# KiCad board jetson-agx-thor-baseboard.kicad_pcb
title: Antmicro Baseboard for Jetson AGX Thor; date: 2026-02-18; rev: 1.1.0; company: Antmicro Ltd; note: www.antmicro.com
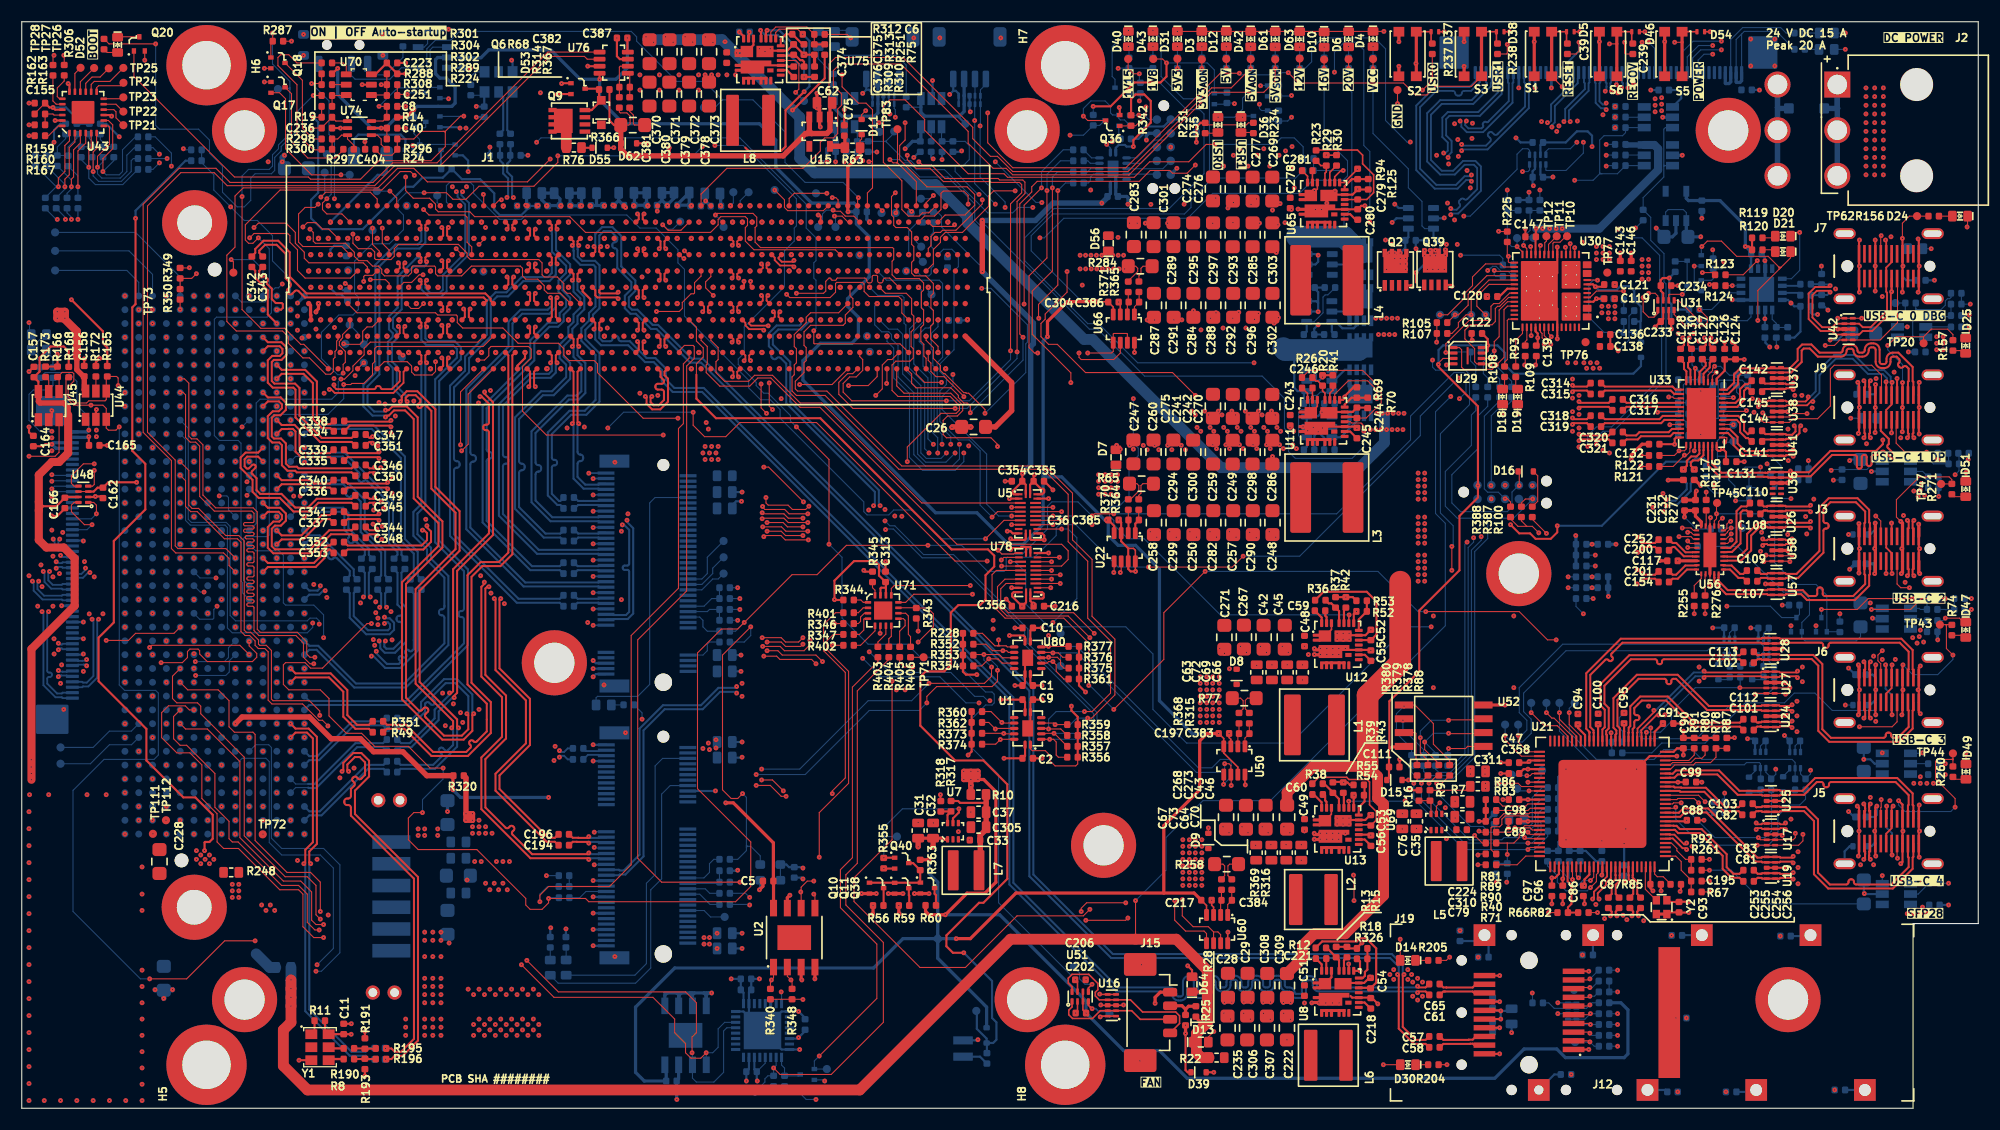
[diagram p0: board, top side]
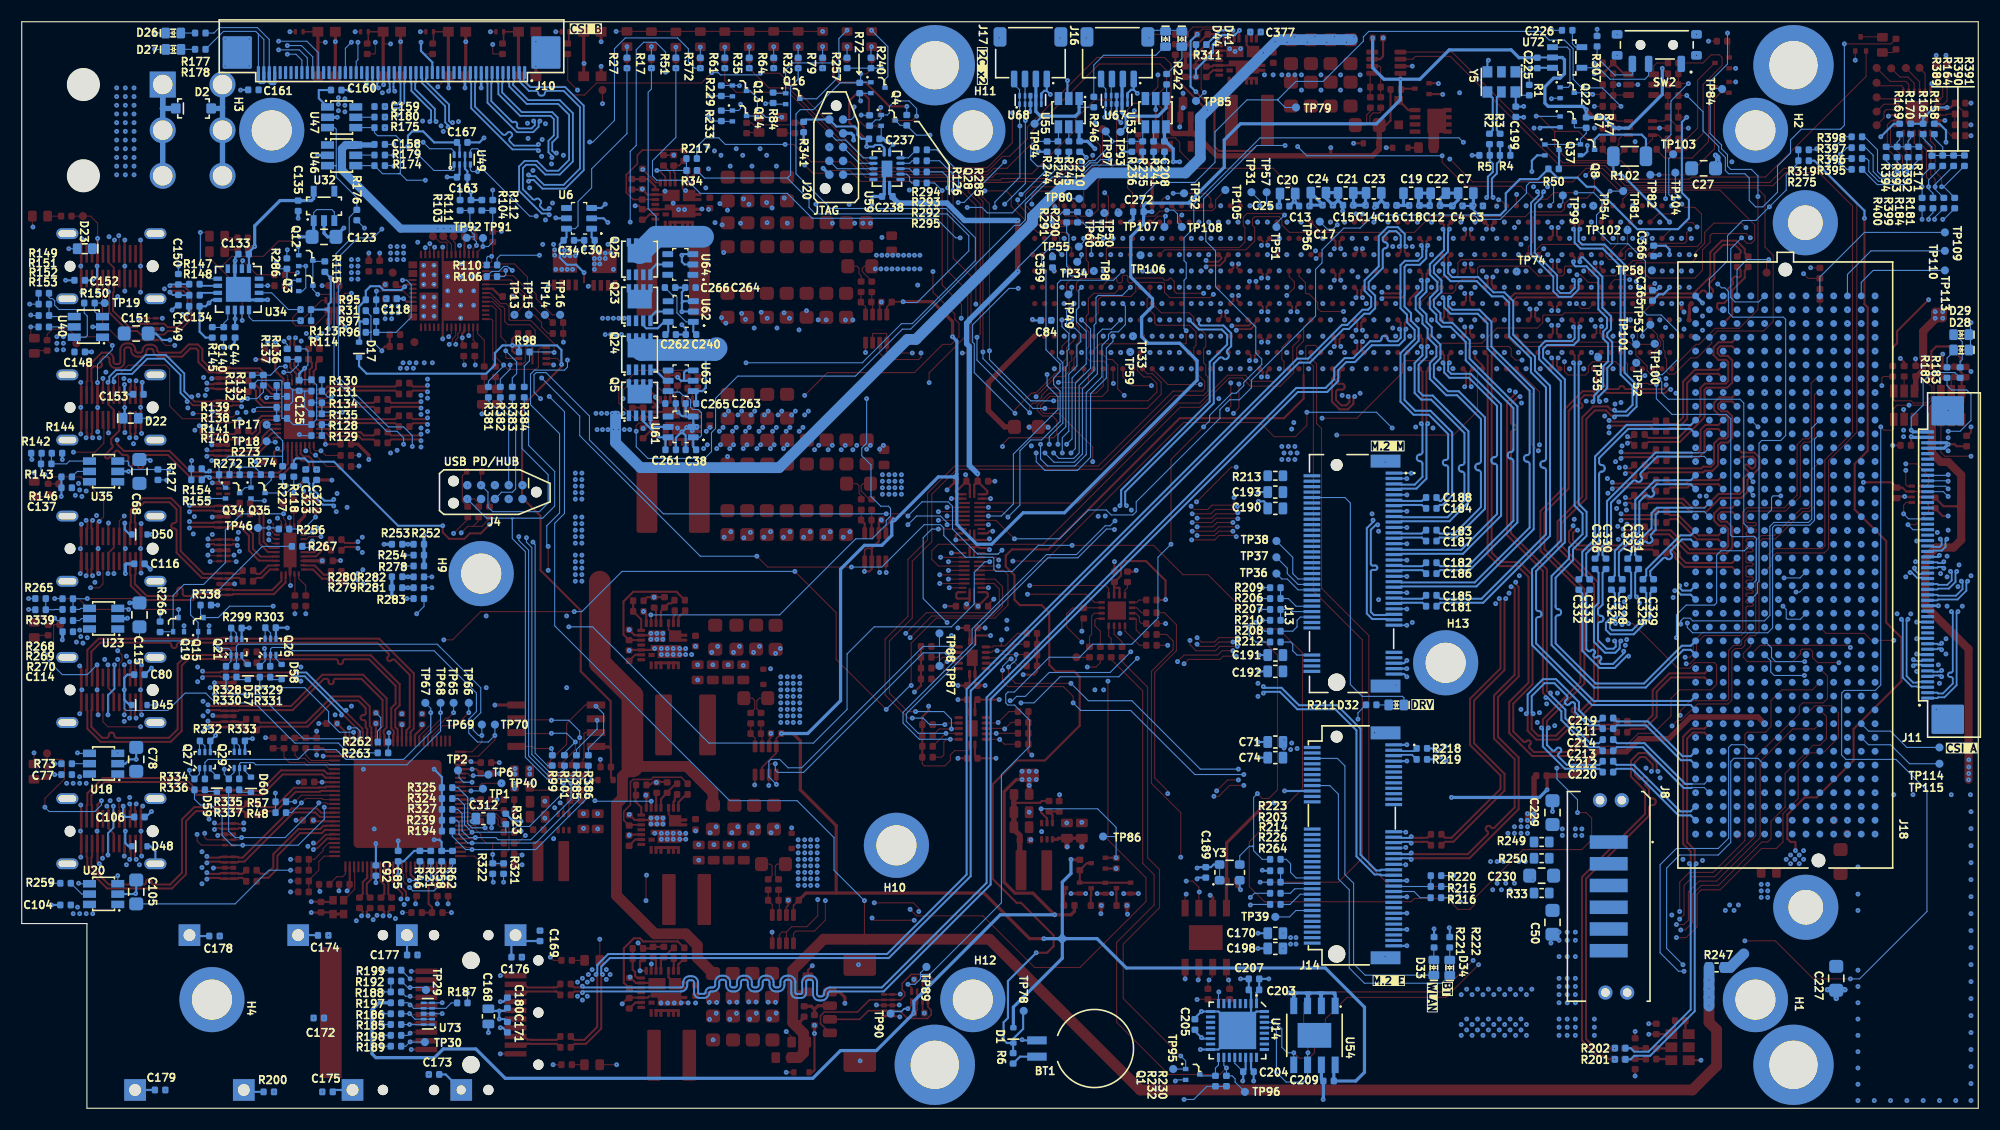
[diagram p1: board, bottom side, seen from below]

Outline 180 x 100 mm; copper layers: Top, In1.Cu, In2.Cu, In3.Cu, In4.Cu, In5.Cu, In6.Cu, In7.Cu, In8.Cu, Bottom. Coordinates in mm from the lower left corner of the outline.
Outline path: 0,100 0,0 174,0 174,17 180,17 180,100 0,100
Stack: Top 0.035mm / dielectric 0.12mm PR2116 er 4.1 / In1.Cu 0.018mm / dielectric 0.2mm FR4 er 4.3 / In2.Cu 0.018mm / dielectric 0.07mm PR1080 er 3.96 / dielectric 0.07mm PR1080 er 3.96 / In3.Cu 0.018mm / dielectric 0.2mm FR4 er 4.3 / In4.Cu 0.018mm / dielectric 0.07mm PR1080 er 3.96 / dielectric 0.07mm PR1080 er 3.96 / In5.Cu 0.018mm / dielectric 0.2mm FR4 er 4.3 / In6.Cu 0.035mm / dielectric 0.07mm PR1080 er 3.96 / dielectric 0.07mm PR1080 er 3.96 / In7.Cu 0.018mm / dielectric 0.2mm FR4 er 4.3 / In8.Cu 0.018mm / dielectric 0.12mm PR2116 er 4.1 / Bottom 0.035mm

## Placement (name value [footprint] x y rotation side)
A1  -  [Mech_M2_2280_H2.5mm]  137.73 49.07 90 bottom  (not fitted)
A2  -  [Mech_M2_2242_H2.5mm]  99.53 24.2 90 bottom  (not fitted)
A3  Jetson-Thor-AGX-T5000  [Module_Jetson-Thor-AGX-T5000]  56.59 50.03 180 top  (not fitted)
BT1  Battery_Holder_MS621FE-FL11E  [MS621FE-FL11E]  82.55 5.5 90 bottom
C1  C_100n_0402  [C_0402_1005Metric]  92.55 37.61 180 top
C2  C_100n_0402  [C_0402_1005Metric]  92.55 32.21 180 top
C3  C_10u_0402  [C_0402_1005Metric]  46.05 83.05 0 bottom
C4  C_10u_0402  [C_0402_1005Metric]  47.92 83.05 180 bottom
C5  C_100n_0402  [C_0402_1005Metric]  68.67 20.91 0 top
C6  C_100n_0402  [C_0402_1005Metric]  73.39 98.84 180 top
C7  C_22u_16V_0603  [C_0603_1608Metric_EIA]  47.15 84.23 180 bottom
C8  C_100n_0402  [C_0402_1005Metric]  34.07 92.21 180 top  (not fitted)
C9  C_100n_0402  [C_0402_1005Metric]  92.55 38.91 0 top
C10  C_100n_0402  [C_0402_1005Metric]  92.55 44.21 0 top
C11  C_100n_0402  [C_0402_1005Metric]  29.62 7.3 270 top
C12  C_10u_0402  [C_0402_1005Metric]  49.99 83.08 0 bottom
C13  C_10u_0402  [C_0402_1005Metric]  62 83.04 0 bottom
C14  C_10u_0402  [C_0402_1005Metric]  55.89 83.11 180 bottom
C15  C_10u_0402  [C_0402_1005Metric]  57.96 83.11 0 bottom
C16  C_10u_0402  [C_0402_1005Metric]  53.99 83.1 0 bottom
C17  C_100n_0402  [C_0402_1005Metric]  59.85 83.12 180 bottom
C18  C_100n_0402  [C_0402_1005Metric]  51.88 83.09 180 bottom
C19  C_22u_16V_0603  [C_0603_1608Metric_EIA]  52.18 84.22 180 bottom
C20  C_22u_16V_0603  [C_0603_1608Metric_EIA]  63.54 84.19 180 bottom
C21  C_22u_16V_0603  [C_0603_1608Metric_EIA]  58.2 84.25 0 bottom
C22  C_22u_16V_0603  [C_0603_1608Metric_EIA]  49.68 84.22 0 bottom
C23  C_22u_16V_0603  [C_0603_1608Metric_EIA]  55.62 84.25 180 bottom
C24  C_22u_16V_0603  [C_0603_1608Metric_EIA]  60.71 84.27 180 bottom
C25  C_10u_0402  [C_0402_1005Metric]  63.86 83.03 180 bottom
C26  C_22u_25V_0805  [C_0805_2012Metric]  87.57 62.71 0 top
C27  C_22u_25V_0805  [C_0805_2012Metric]  25.27 86.51 0 bottom
C28  C_22u_25V_0805  [C_0805_2012Metric]  110.97 11.32 90 top
C29  C_22u_25V_0805  [C_0805_2012Metric]  112.78 11.32 90 top
C30  C_100n_0402  [C_0402_1005Metric]  127.77 79.88 180 bottom
C31  C_22u_16V_0603  [C_0603_1608Metric_EIA]  82.47 25.56 270 top
C32  C_22u_16V_0603  [C_0603_1608Metric_EIA]  83.84 25.56 270 top
C33  C_100n_0402  [C_0402_1005Metric]  87.7 24.68 0 top
C34  C_1u_25V_0402  [C_0402_1005Metric]  129.67 79.88 0 bottom
C35  C_22u_16V_0603  [C_0603_1608Metric_EIA]  128.32 26.41 270 top
C36  C_100n_0402  [C_0402_1005Metric]  100.44 54.15 180 top
C37  C_22u_16V_0603  [C_0603_1608Metric_EIA]  88.02 27.25 0 top
C38  C_100n_0402  [C_0402_1005Metric]  118.44 60.61 180 bottom  (not fitted)
C39  C_100n_0402  [C_0402_1005Metric]  142.2 97.51 90 top
C40  C_100n_0402  [C_0402_1005Metric]  34.07 90.21 180 top
C42  C_22u_25V_0805  [C_0805_2012Metric]  114.25 43.35 90 top
C43  C_22u_25V_0805  [C_0805_2012Metric]  114.43 26.79 90 top
C44  C_100n_0402  [C_0402_1005Metric]  160.37 71.41 270 bottom
C45  C_22u_25V_0805  [C_0805_2012Metric]  116.2 43.35 90 top
C46  C_22u_25V_0805  [C_0805_2012Metric]  116.41 26.79 90 top
C47  C_100n_0402  [C_0402_1005Metric]  137.28 31.81 0 top
C48  C_100n_0402  [C_0402_1005Metric]  118.01 43 270 top
C49  C_100n_0402  [C_0402_1005Metric]  118.01 26.13 270 top
C50  C_22u_25V_0805  [C_0805_2012Metric]  39.17 17.11 90 bottom
C51  C_100n_0402  [C_0402_1005Metric]  118.01 10.83 270 top
C52  C_1u_0402  [C_0402_1005Metric]  124.12 43.56 270 top
C53  C_1u_0402  [C_0402_1005Metric]  124.11 26.5 270 top
C54  C_1u_0402  [C_0402_1005Metric]  124.09 11.52 270 top
C55  C_4u7_25V_0402  [C_0402_1005Metric]  124.12 41.66 270 top
C56  C_4u7_25V_0402  [C_0402_1005Metric]  124.12 24.63 270 top
C57  C_100n_0402  [C_0402_1005Metric]  129.97 6.61 180 top
C58  C_100n_0402  [C_0402_1005Metric]  129.97 5.61 180 top
C59  C_100n_0402  [C_0402_1005Metric]  119.44 45.79 0 top
C60  C_100n_0402  [C_0402_1005Metric]  119.22 28.88 0 top
C61  C_100n_0402  [C_0402_1005Metric]  129.97 10.44 180 top
C62  C_22u_16V_0603  [C_0603_1608Metric_EIA]  73.86 92.53 0 top
C63  C_22u_16V_0603  [C_0603_1608Metric_EIA]  113.62 40.12 270 top
C64  C_22u_16V_0603  [C_0603_1608Metric_EIA]  116.34 23.53 270 top
C65  C_100n_0402  [C_0402_1005Metric]  129.97 11.44 180 top
C66  C_22u_16V_0603  [C_0603_1608Metric_EIA]  117.82 40.12 270 top
C67  C_22u_16V_0603  [C_0603_1608Metric_EIA]  113.57 23.53 270 top
C68  C_22u_25V_0805  [C_0805_2012Metric]  169.17 58.61 90 bottom
C69  C_22u_16V_0603  [C_0603_1608Metric_EIA]  116.42 40.12 270 top
C70  C_22u_16V_0603  [C_0603_1608Metric_EIA]  117.72 23.53 270 top
C71  C_22u_16V_0603  [C_0603_1608Metric_EIA]  64.67 33.71 180 bottom
C72  C_22u_16V_0603  [C_0603_1608Metric_EIA]  115.02 40.12 270 top
C73  C_22u_16V_0603  [C_0603_1608Metric_EIA]  114.97 23.53 270 top
C74  C_22u_16V_0603  [C_0603_1608Metric_EIA]  64.67 32.27 180 bottom
C75  C_10u_0402  [C_0402_1005Metric]  75.68 89.99 270 top
C76  C_22u_16V_0603  [C_0603_1608Metric_EIA]  127.01 26.41 270 top
C77  C_100n_0402  [C_0402_1005Metric]  175.87 30.71 0 bottom
C78  C_22u_25V_0805  [C_0805_2012Metric]  169.47 32.11 90 bottom
C79  C_100n_0402  [C_0402_1005Metric]  132.47 25.64 0 top
C80  C_100n_0402  [C_0402_1005Metric]  169.17 39.91 180 bottom
C81  C_100n_0402  [C_0402_1005Metric]  158.87 20.89 180 top
C82  C_100n_0402  [C_0402_1005Metric]  158.77 27.01 180 top
C83  C_100n_0402  [C_0402_1005Metric]  158.87 21.91 180 top
C84  C_1u_25V_0402  [C_0402_1005Metric]  85.77 72.51 0 bottom
C85  C_100n_0402  [C_0402_1005Metric]  145.37 23.21 270 bottom
C86  C_100n_0402  [C_0402_1005Metric]  143.67 20.01 90 top
C87  C_100n_0402  [C_0402_1005Metric]  150.32 20.61 180 top
C88  C_100n_0402  [C_0402_1005Metric]  153.67 26.51 180 top
C89  C_100n_0402  [C_0402_1005Metric]  137.27 26.41 0 top
C90  C_100n_0402  [C_0402_1005Metric]  152.87 33.61 270 top
C91  C_100n_0402  [C_0402_1005Metric]  151.47 35.41 180 top
C92  C_100n_0402  [C_0402_1005Metric]  147.42 21.88 270 bottom
C93  C_100n_0402  [C_0402_1005Metric]  152.47 18.51 270 top
C94  C_100n_0402  [C_0402_1005Metric]  143.17 35.81 270 top
C95  C_100n_0402  [C_0402_1005Metric]  147.41 35.91 270 top
C96  C_100n_0402  [C_0402_1005Metric]  141.77 20.01 90 top
C97  C_100n_0402  [C_0402_1005Metric]  140.77 20.01 90 top
C98  C_100n_0402  [C_0402_1005Metric]  137.28 28.41 0 top
C99  C_100n_0402  [C_0402_1005Metric]  153.57 30.03 180 top
C100  C_100n_0402  [C_0402_1005Metric]  145.03 35.83 270 top
C101  C_100n_0402  [C_0402_1005Metric]  158.86 34.81 180 top
C102  C_100n_0402  [C_0402_1005Metric]  158.87 41.01 180 top
C103  C_100n_0402  [C_0402_1005Metric]  158.76 28.04 180 top
C104  C_100n_0402  [C_0402_1005Metric]  175.97 18.71 0 bottom
C105  C_22u_25V_0805  [C_0805_2012Metric]  169.47 19.91 90 bottom
C106  C_100n_0402  [C_0402_1005Metric]  169.17 26.81 180 bottom
C107  C_100n_0402  [C_0402_1005Metric]  159.19 48.51 180 top
C108  C_100n_0402  [C_0402_1005Metric]  159.48 54.7 180 top
C109  C_100n_0402  [C_0402_1005Metric]  159.19 49.49 180 top
C110  C_100n_0402  [C_0402_1005Metric]  159.47 55.7 180 top
C111  C_100n_0402  [C_0402_1005Metric]  126.27 31.41 180 top
C112  C_100n_0402  [C_0402_1005Metric]  158.87 35.81 180 top
C113  C_100n_0402  [C_0402_1005Metric]  158.87 42.01 180 top
C114  C_100n_0402  [C_0402_1005Metric]  175.76 43.86 0 bottom
C115  C_22u_25V_0805  [C_0805_2012Metric]  169.17 45.41 90 bottom
C116  C_100n_0402  [C_0402_1005Metric]  169.17 50.11 180 bottom
C117  C_100n_0402  [C_0402_1005Metric]  151.87 50.39 180 top
C118  C_10u_0402  [C_0402_1005Metric]  145.97 74.51 180 bottom
C119  C_100n_0402  [C_0402_1005Metric]  146.07 74.51 0 top
C120  C_10u_0402  [C_0402_1005Metric]  135.27 74.71 0 top
C121  C_10u_0402  [C_0402_1005Metric]  146.07 75.81 180 top
C122  C_100n_0402  [C_0402_1005Metric]  133.87 71.31 0 top
C123  C_22u_25V_0805  [C_0805_2012Metric]  152.19 80.2 180 bottom
C124  C_10u_0402  [C_0402_1005Metric]  157.67 69.41 270 top
C125  C_100n_0402  [C_0402_1005Metric]  154.47 66.51 270 bottom
C126  C_100n_0402  [C_0402_1005Metric]  156.67 69.41 90 top
C127  C_100n_0402  [C_0402_1005Metric]  154.62 69.43 270 top
C128  C_100n_0402  [C_0402_1005Metric]  152.61 69.42 270 top
C129  C_100n_0402  [C_0402_1005Metric]  155.59 69.43 270 top
C130  C_100n_0402  [C_0402_1005Metric]  153.61 69.42 270 top
C131  C_100n_0402  [C_0402_1005Metric]  157.27 59.51 0 top
C132  C_100n_0402  [C_0402_1005Metric]  150.19 61.12 180 top
C133  C_100n_0402  [C_0402_1005Metric]  159.59 78.61 0 bottom
C134  C_100n_0402  [C_0402_1005Metric]  164.12 73.81 0 bottom
C135  C_10u_0402  [C_0402_1005Metric]  154.57 83.06 90 bottom
C136  C_100n_0402  [C_0402_1005Metric]  145.67 71.21 0 top
C137  C_100n_0402  [C_0402_1005Metric]  175.87 57.11 0 bottom
C138  C_4u7_25V_0402  [C_0402_1005Metric]  145.67 70.11 0 top
C139  C_10u_0402  [C_0402_1005Metric]  139.34 69.71 270 top
C140  C_100n_0402  [C_0402_1005Metric]  161.42 71.41 270 bottom
C141  C_100n_0402  [C_0402_1005Metric]  159.63 61.37 0 top
C142  C_100n_0402  [C_0402_1005Metric]  159.63 66.96 0 top
C143  C_100n_0402  [C_0402_1005Metric]  147.07 77.51 90 top
C144  C_100n_0402  [C_0402_1005Metric]  159.63 62.35 0 top
C145  C_100n_0402  [C_0402_1005Metric]  159.63 65.96 0 top
C146  C_4u7_25V_0402  [C_0402_1005Metric]  148.07 77.51 90 top
C147  C_10u_0402  [C_0402_1005Metric]  138.82 80.21 0 top
C148  C_100n_0402  [C_0402_1005Metric]  174.67 69.61 180 bottom
C149  C_47p_0402  [C_0402_1005Metric]  165.59 74.38 90 bottom
C150  C_47p_0402  [C_0402_1005Metric]  165.59 76.3 90 bottom
C151  C_22u_25V_0805  [C_0805_2012Metric]  169.47 71.31 180 bottom
C152  C_100n_0402  [C_0402_1005Metric]  174.67 76.2 0 bottom
C153  C_100n_0402  [C_0402_1005Metric]  169.27 65.71 180 bottom
C154  C_100n_0402  [C_0402_1005Metric]  151.07 48.44 0 top
C155  C_100n_0402  [C_0402_1005Metric]  1.67 92.51 0 top
C156  C_100n_0402  [C_0402_1005Metric]  5.75 67.84 90 top
C157  C_100n_0402  [C_0402_1005Metric]  1.12 67.76 90 top
C158  C_100n_0402  [C_0402_1005Metric]  147.07 88.71 180 bottom
C159  C_100n_0402  [C_0402_1005Metric]  147.07 92.2 180 bottom
C160  C_1u_0402  [C_0402_1005Metric]  151.07 93.71 0 bottom
C161  C_1u_0402  [C_0402_1005Metric]  158.69 93.73 180 bottom
C162  C_100n_0402  [C_0402_1005Metric]  7.47 56.64 90 top
C163  C_100n_0402  [C_0402_1005Metric]  139.48 85.69 180 bottom
C164  C_1u_0402  [C_0402_1005Metric]  1.07 61.41 270 top
C165  C_1u_0402  [C_0402_1005Metric]  6.67 61.01 180 top
C166  C_100n_0402  [C_0402_1005Metric]  3.97 55.71 90 top
C167  C_100n_0402  [C_0402_1005Metric]  139.48 88.89 0 bottom
C168  C_22u_16V_0603  [C_0603_1608Metric_EIA]  137.07 8.46 90 bottom
C169  C_100n_0402  [C_0402_1005Metric]  132.32 15.87 270 bottom
C170  C_22u_16V_0603  [C_0603_1608Metric_EIA]  64.67 16.11 180 bottom
C171  C_100n_0402  [C_0402_1005Metric]  135.32 7.46 90 bottom
C172  C_100n_0402  [C_0402_1005Metric]  152.67 8.31 180 bottom
C173  C_100n_0402  [C_0402_1005Metric]  142.07 3.11 180 bottom
C174  C_100n_0402  [C_0402_1005Metric]  152.27 15.91 0 bottom
C175  C_100n_0402  [C_0402_1005Metric]  151.87 1.51 180 bottom
C176  C_100n_0402  [C_0402_1005Metric]  134.47 13.91 0 bottom
C177  C_100n_0402  [C_0402_1005Metric]  144.07 14.11 0 bottom
C178  C_100n_0402  [C_0402_1005Metric]  162.27 15.85 0 bottom
C179  C_100n_0402  [C_0402_1005Metric]  167.27 1.69 0 bottom
C180  C_100n_0402  [C_0402_1005Metric]  135.32 9.71 270 bottom
C181  C_220n_0402  [C_0402_1005Metric]  50.32 46.21 0 bottom
C182  C_220n_0402  [C_0402_1005Metric]  50.32 50.21 0 bottom
C183  C_220n_0402  [C_0402_1005Metric]  50.32 53.21 0 bottom
C184  C_220n_0402  [C_0402_1005Metric]  50.32 55.21 0 bottom
C185  C_220n_0402  [C_0402_1005Metric]  50.32 47.21 0 bottom
C186  C_220n_0402  [C_0402_1005Metric]  50.32 49.21 0 bottom
C187  C_220n_0402  [C_0402_1005Metric]  50.32 52.21 0 bottom
C188  C_220n_0402  [C_0402_1005Metric]  50.32 56.21 0 bottom
C189  C_100n_0402  [C_0402_1005Metric]  71.07 21.71 270 bottom
C190  C_22u_16V_0603  [C_0603_1608Metric_EIA]  64.67 55.21 0 bottom
C191  C_22u_16V_0603  [C_0603_1608Metric_EIA]  64.67 40.21 0 bottom
C192  C_22u_16V_0603  [C_0603_1608Metric_EIA]  64.67 41.71 0 bottom
C193  C_22u_16V_0603  [C_0603_1608Metric_EIA]  64.67 56.71 0 bottom
C194  C_220n_0402  [C_0402_1005Metric]  49.87 24.21 0 top
C195  C_1n_0402  [C_0402_1005Metric]  154.07 20.91 180 top
C196  C_220n_0402  [C_0402_1005Metric]  49.87 25.21 0 top
C197  C_100n_0402  [C_0402_1005Metric]  110.6 34.49 180 top
C198  C_22u_16V_0603  [C_0603_1608Metric_EIA]  64.67 14.71 180 bottom
C199  C_100n_0402  [C_0402_1005Metric]  42.55 91.71 90 bottom
C200  C_100n_0402  [C_0402_1005Metric]  151.07 51.36 0 top
C201  C_100n_0402  [C_0402_1005Metric]  151.07 49.41 0 top
C202  C_100n_0402  [C_0402_1005Metric]  97.44 8.76 0 top
C203  C_100n_0402  [C_0402_1005Metric]  66.63 10.9 180 bottom
C204  C_100n_0402  [C_0402_1005Metric]  67.14 3.37 0 bottom
C205  C_100n_0402  [C_0402_1005Metric]  72.07 7.71 270 bottom
C206  C_100n_0402  [C_0402_1005Metric]  97.4 11.83 180 top
C207  C_10u_0402  [C_0402_1005Metric]  66.63 11.91 180 bottom
C208  C_100n_0402  [C_0402_1005Metric]  74.87 88.51 270 bottom
C209  C_100n_0402  [C_0402_1005Metric]  59.77 2.51 180 bottom
C210  C_100n_0402  [C_0402_1005Metric]  82.67 88.51 270 bottom
C211  C_220n_0402  [C_0402_1005Metric]  34.07 34.94 180 bottom
C212  C_220n_0402  [C_0402_1005Metric]  34.07 31.94 180 bottom
C213  C_220n_0402  [C_0402_1005Metric]  34.07 32.91 180 bottom
C214  C_220n_0402  [C_0402_1005Metric]  34.07 33.93 180 bottom
C216  C_100n_0402  [C_0402_1005Metric]  93.57 46.21 180 top
C217  C_100n_0402  [C_0402_1005Metric]  108.99 19.15 180 top
C218  C_4u7_25V_0402  [C_0402_1005Metric]  124.11 9.66 270 top
C219  C_220n_0402  [C_0402_1005Metric]  34.07 35.91 180 bottom
C220  C_220n_0402  [C_0402_1005Metric]  34.07 30.94 180 bottom
C221  C_100n_0402  [C_0402_1005Metric]  119.54 13.78 0 top
C222  C_22u_25V_0805  [C_0805_2012Metric]  116.4 7.39 270 top
C223  C_100n_0402  [C_0402_1005Metric]  34.07 96.21 180 top
C224  C_22u_16V_0603  [C_0603_1608Metric_EIA]  132.54 28.21 180 top
C225  C_100n_0402  [C_0402_1005Metric]  40.57 96.21 90 bottom
C226  C_1u_25V_0402  [C_0402_1005Metric]  37.82 99.21 180 bottom
C227  C_22u_25V_0805  [C_0805_2012Metric]  13.07 11.96 90 bottom
C228  C_22u_25V_0805  [C_0805_2012Metric]  12.67 22.71 270 top
C229  C_22u_25V_0805  [C_0805_2012Metric]  39.17 27.21 270 bottom
C230  C_22u_25V_0805  [C_0805_2012Metric]  40.17 21.41 180 bottom
C231  C_10u_0402  [C_0402_1005Metric]  152.98 55.5 90 top
C232  C_100n_0402  [C_0402_1005Metric]  153.98 55.5 90 top
C233  C_100n_0402  [C_0402_1005Metric]  151.27 72.41 180 top
C234  C_100n_0402  [C_0402_1005Metric]  151.27 75.71 0 top
C235  C_22u_25V_0805  [C_0805_2012Metric]  110.93 7.39 270 top
C236  C_100n_0402  [C_0402_1005Metric]  28.07 90.21 180 top
C237  C_100n_0402  [C_0402_1005Metric]  101.57 89.22 0 bottom  (not fitted)
C238  C_100n_0402  [C_0402_1005Metric]  100.37 83.92 180 bottom  (not fitted)
C239  C_100n_0402  [C_0402_1005Metric]  148.22 97.51 90 top
C240  C_100n_0402  [C_0402_1005Metric]  118.43 71.21 180 bottom  (not fitted)
C241  C_22u_25V_0805  [C_0805_2012Metric]  111.42 64.6 90 top
C242  C_22u_25V_0805  [C_0805_2012Metric]  113.24 64.6 90 top
C243  C_100n_0402  [C_0402_1005Metric]  116.7 63.32 270 top
C244  C_1u_0402  [C_0402_1005Metric]  122.83 64.01 270 top
C245  C_4u7_25V_0402  [C_0402_1005Metric]  122.83 62.15 270 top
C246  C_100n_0402  [C_0402_1005Metric]  118.27 66.29 0 top
C247  C_22u_25V_0805  [C_0805_2012Metric]  102.27 60.41 270 top
C248  C_22u_25V_0805  [C_0805_2012Metric]  115.07 53.9 90 top
C249  C_22u_25V_0805  [C_0805_2012Metric]  111.41 60.39 270 top
C250  C_22u_25V_0805  [C_0805_2012Metric]  107.79 53.9 90 top
C251  C_1u_25V_0402  [C_0402_1005Metric]  34.07 93.21 180 top
C252  C_100n_0402  [C_0402_1005Metric]  151.07 52.33 0 top
C253  C_100n_0402  [C_0402_1005Metric]  145.97 18.91 90 top
C254  C_100n_0402  [C_0402_1005Metric]  147.95 18.91 90 top
C255  C_100n_0402  [C_0402_1005Metric]  146.95 18.91 90 top
C256  C_100n_0402  [C_0402_1005Metric]  148.93 18.91 90 top
C257  C_22u_25V_0805  [C_0805_2012Metric]  111.45 53.9 90 top
C258  C_22u_25V_0805  [C_0805_2012Metric]  104.16 53.9 90 top
C259  C_22u_25V_0805  [C_0805_2012Metric]  109.6 60.39 270 top
C260  C_22u_25V_0805  [C_0805_2012Metric]  104.12 60.4 270 top
C261  C_1u_25V_0402  [C_0402_1005Metric]  120.3 60.61 0 bottom  (not fitted)
C262  C_1u_25V_0402  [C_0402_1005Metric]  120.3 71.21 0 bottom  (not fitted)
C263  C_100n_0402  [C_0402_1005Metric]  118.44 64.86 180 bottom
C264  C_100n_0402  [C_0402_1005Metric]  118.47 75.54 180 bottom
C265  C_1u_25V_0402  [C_0402_1005Metric]  120.31 64.86 0 bottom
C266  C_1u_25V_0402  [C_0402_1005Metric]  120.35 75.54 0 bottom
C267  C_22u_25V_0805  [C_0805_2012Metric]  112.44 43.36 90 top
C268  C_22u_25V_0805  [C_0805_2012Metric]  110.79 26.79 90 top
C269  C_22u_25V_0805  [C_0805_2012Metric]  115.05 84.6 90 top
C270  C_22u_25V_0805  [C_0805_2012Metric]  115.05 64.6 90 top
C271  C_22u_25V_0805  [C_0805_2012Metric]  110.64 43.34 90 top
C272  C_100n_0402  [C_0402_1005Metric]  77.27 82.51 180 bottom
C273  C_22u_25V_0805  [C_0805_2012Metric]  112.62 26.78 90 top
C274  C_22u_25V_0805  [C_0805_2012Metric]  109.59 84.61 90 top
C275  C_22u_25V_0805  [C_0805_2012Metric]  109.59 64.61 90 top
C276  C_22u_25V_0805  [C_0805_2012Metric]  111.42 84.6 90 top
C277  C_22u_25V_0805  [C_0805_2012Metric]  113.24 84.6 90 top
C278  C_100n_0402  [C_0402_1005Metric]  116.7 83.32 270 top
C279  C_1u_0402  [C_0402_1005Metric]  122.91 84.12 270 top
C280  C_4u7_25V_0402  [C_0402_1005Metric]  122.91 82.26 270 top
C281  C_100n_0402  [C_0402_1005Metric]  118.27 86.29 0 top
C282  C_22u_25V_0805  [C_0805_2012Metric]  109.62 53.9 90 top
C283  C_22u_25V_0805  [C_0805_2012Metric]  102.32 80.41 270 top
C284  C_22u_25V_0805  [C_0805_2012Metric]  107.79 73.9 90 top
C285  C_22u_25V_0805  [C_0805_2012Metric]  111.41 80.39 270 top
C286  C_22u_25V_0805  [C_0805_2012Metric]  115.06 60.39 270 top
C287  C_22u_25V_0805  [C_0805_2012Metric]  104.16 73.9 90 top
C288  C_22u_25V_0805  [C_0805_2012Metric]  109.62 73.9 90 top
C289  C_22u_25V_0805  [C_0805_2012Metric]  115.06 80.39 270 top
C290  C_22u_25V_0805  [C_0805_2012Metric]  113.26 53.9 90 top
C291  C_22u_25V_0805  [C_0805_2012Metric]  105.98 73.9 90 top
C292  C_22u_25V_0805  [C_0805_2012Metric]  111.45 73.9 90 top
C293  C_22u_25V_0805  [C_0805_2012Metric]  109.6 80.39 270 top
C294  C_22u_25V_0805  [C_0805_2012Metric]  105.95 60.4 270 top
C295  C_22u_25V_0805  [C_0805_2012Metric]  105.95 80.4 270 top
C296  C_22u_25V_0805  [C_0805_2012Metric]  113.26 73.9 90 top
C297  C_22u_25V_0805  [C_0805_2012Metric]  107.77 80.39 270 top
C298  C_22u_25V_0805  [C_0805_2012Metric]  113.24 60.39 270 top
C299  C_22u_25V_0805  [C_0805_2012Metric]  105.98 53.9 90 top
C300  C_22u_25V_0805  [C_0805_2012Metric]  107.77 60.39 270 top
C301  C_22u_25V_0805  [C_0805_2012Metric]  104.13 80.4 270 top
C302  C_22u_25V_0805  [C_0805_2012Metric]  115.07 73.9 90 top
C303  C_22u_25V_0805  [C_0805_2012Metric]  113.24 80.39 270 top
C304  C_100n_0402  [C_0402_1005Metric]  100.44 74.2 180 top
C305  C_22u_16V_0603  [C_0603_1608Metric_EIA]  88.02 25.87 180 top
C306  C_22u_25V_0805  [C_0805_2012Metric]  112.74 7.39 270 top
C307  C_22u_25V_0805  [C_0805_2012Metric]  114.56 7.39 270 top
C308  C_22u_25V_0805  [C_0805_2012Metric]  114.59 11.31 90 top
C309  C_22u_25V_0805  [C_0805_2012Metric]  116.4 11.3 90 top
C310  C_22u_16V_0603  [C_0603_1608Metric_EIA]  132.54 26.83 0 top
C311  C_22u_16V_0603  [C_0603_1608Metric_EIA]  133.97 31.01 0 top
C312  C_22u_16V_0603  [C_0603_1608Metric_EIA]  137.52 26.66 0 bottom